# KiCad board Coral Dev Board Micro-PcbDoc.kicad_pcb (continued)
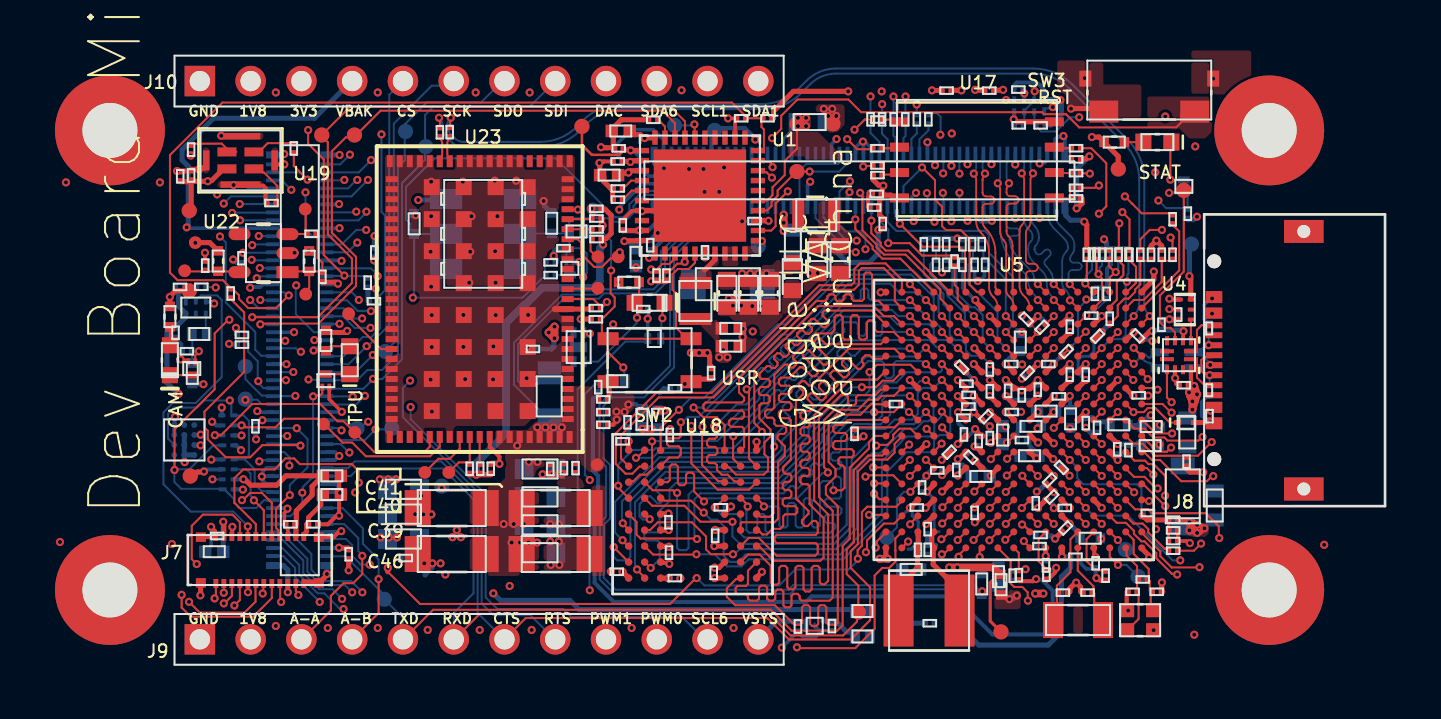
[diagram p0: board, top side]
## Placement (name value [footprint] x y rotation side) (continued)
TP12  -  [TESTPAD_SMT_30MIL]  11.5 11.83 0 bottom
TP13  -  [TESTPAD_SMT_30MIL]  14 8.94 0 bottom
TP14  -  [TESTPAD_SMT_30MIL]  47.85 24.81 0 top
TP15  -  [TESTPAD_SMT_30MIL]  27.65 26.74 0 bottom
TP16  -  [TESTPAD_SMT_30MIL]  33.57 27.07 0 top
TP17  -  [TESTPAD_SMT_30MIL]  41.98 1.64 0 top
TP18  -  [TESTPAD_SMT_30MIL]  11.18 15.68 0 bottom
TP19  -  [TESTPAD_SMT_30MIL]  12.19 26.69 0 bottom
TP20  -  [TESTPAD_SMT_30MIL]  13.2 25.93 0 bottom
TP21  -  [TESTPAD_SMT_30MIL]  4.17 14.93 0 bottom
TP22  -  [TESTPAD_SMT_30MIL]  48.21 5.76 0 bottom
TP23  -  [TESTPAD_SMT_30MIL]  48.84 4.41 0 bottom
TP24  -  [TESTPAD_SMT_30MIL]  4.17 13.29 0 bottom
TP25  -  [TESTPAD_SMT_30MIL]  36.27 6.37 0 bottom
TP26  -  [TESTPAD_SMT_30MIL]  1.37 22.73 0 top
TP27  -  [TESTPAD_SMT_30MIL]  29.84 20.95 0 bottom
TP28  -  [TESTPAD_SMT_25MIL]  21.78 10.01 0 top
TP29  -  [TESTPAD_SMT_25MIL]  7.2 18.55 0 top
TP30  -  [TESTPAD_SMT_30MIL]  11.13 3.27 0 bottom
TP31  -  [TESTPAD_SMT_30MIL]  34.84 2.63 0 top
TP32  -  [TESTPAD_SMT_25MIL]  7.17 22.8 0 top
TP33  -  [TESTPAD_SMT_25MIL]  1.14 19.72 0 top
TP34  -  [TESTPAD_SMT_25MIL]  1.67 21.13 0 top
TP35  -  [TESTPAD_SMT_25MIL]  21.56 22.81 0 bottom
TP36  -  [TESTPAD_SMT_25MIL]  21.81 20.41 0 top
TP37  -  [TESTPAD_SMT_25MIL]  22.83 20.41 0 top
TP38  -  [TESTPAD_SMT_25MIL]  21.81 18.84 0 top
TP39  -  [TESTPAD_SMT_30MIL]  51.13 23.74 0 top
TP40  -  [TESTPAD_SMT_25MIL]  9.34 17.57 0 top
TP41  -  [TESTPAD_SMT_25MIL]  8.09 12.04 0 top
TP42  -  [TESTPAD_SMT_25MIL]  9.65 11.63 0 top
TP43  -  [TESTPAD_SMT_25MIL]  14.36 9.62 0 top
TP44  -  [TESTPAD_SMT_25MIL]  13.15 9.62 0 top
TP45  -  [TESTPAD_SMT_30MIL]  51.51 21.05 0 bottom
U1  IC, PWR MANAGEMENT, DA9061, DDR, BUCK, LDO, 2.7 TO 5.5 VIN, SMD  [QFN50P600X600X90-40-TP]  26.92 23.48 0 top
U2  IC, REG, TCR2LN33, LINEAR, LDO, 5.5V VIN, 3.3V VOUT, CMOS O/P, SDFN-4  [SDFN80X80X40-5]  32.66 1.95 0 bottom
U3  IC, BUFFER, 74LVC1G126, NON-INVERT, SINGLE ELEMENT, 3-STATE O/P, 32mA, 1.65V TO 5.5V VIN, UFDFN-6  [SON50P145X100X60-6]  1.7 17.87 0 bottom
U4  IC, TRANSLATOR, 74AXP1, UNIDIR, 1-CH, NON-INVERTED O/P, LOW NOISE OVERSHOOT, XSON-6  [SON50P145X100X50-6]  51.18 17.77 0 top
U5  IC, PROCESSOR, MIMXRT1176CV, ARM CORTEX-M4/M7, 2MB RAM, SDRAM, WLAN, BGA-289  [BGA289C80P17X17_1400X14000X152]  42.62 12.25 0 top
U6  IC, MICRO CONTROLLER, A7101, MX51, SECURITY, TEMP, AUTHENTICATION, I2C, WLCSP-12  [BGA12C50+3X4_206X202X65]  1.12 11.25 0 bottom
U10  SPST 2x, 1.65V ~{} 5.5V, XSON8, 500MHz at 50Ohm  [SON8_0P5_1L95x1W]  3.3 11.73 0 bottom
U13  SPST 2x, 1.65V ~{} 5.5V, XSON8, 500MHz at 50Ohm  [SON8_0P5_1L95x1W]  3.32 9.53 0 bottom
U14  SPST 2x, 1.65V ~{} 5.5V, XSON8, 500MHz at 50Ohm  [SON8_0P5_1L95x1W#2]  43.39 27.97 0 bottom
U17  IC, MEMORY, MT29F1G01ABB, NON-VOLATILE, FLASH, 1Gb(1G x 1), SPI, 1.7 TO 1.95V VIN, UDFN-8  [UDFN800X600X65-8]  40.78 25.27 0 top
U18  IC, MEMORY, MT48H32M16, VOLATILE, DRAM, 512Mb(32M x 16), 1.7 TO 1.95V VIN, VFBGA-54  [BGA54C80P6X9_800X800X100]  26.55 7.54 0 top
U19  AUDIO, MIC, MEMS, OMNIDIRECTIONAL, DIGITAl/PDM O/P, 20Hz TO 20KHz, -26dB SENSITIVITY, +/-1dB, 64.5dB S/N R, SMD  [MIC_SPK0641HT4H-1]  3.93 25.24 0 top
U20  IC, HOST CTLR, PTN5150A, USB, 2.7 TO 5.5 VIN, X2QFN-12  [X2QFN12_1.6X1.6MMM]  50.89 15.49 0 top
U21  IC, SW, SIP32408, HIGH-SIDE, N-CH, 1:1, 1.1V TO 5.5V VCL, 3.5A, 44mOHM RDS(ON), TDFN-4  [TDFN120X160X60-4-TP]  20.85 15.89 0 bottom
U22  IC, REG, NCP170AS, LINEAR, FIXED, 2.2V TO 5.5V VIN, 1.8V VOUT, 150mA, TSOP-5  [5SOT23_REG]  5.08 20.6 0 top
u23  TPU module  [QFN120_0P5_10X15]  15.9 18.3 0 top
X1  XTAL, 24MHz, +/-10PPM STAB, +/-10PPM, 8pF, 80 OHM, SMD-4  [XTAL_MURATA_XRCGB24M000F1H01R0]  48.94 2.23 0 top
X2  -  [XTAL_EPSON_ADUCM355BCCZ]  45.84 2.24 0 top

## Footprints (pads in the part's own frame, mm; a bottom-side part is the same pattern mirrored in y, then rotated)
3XDFN
  rect 0.191x0.35 smd: 1(0.175,0.325) 2(-0.175,0.325)
  rect 0.6x0.35 smd: 3(0,-0.325)
3XDFN#2
  rect 0.191x0.35 smd: 1(-0.175,-0.325) 2(0.175,-0.325)
  rect 0.6x0.35 smd: 3(0,0.325)
3XDFN#3
  rect 0.35x0.191 smd: 1(-0.325,0.175) 2(-0.325,-0.175)
  rect 0.35x0.6 smd: 3(0.325,0)
5SOT23_REG
  rect 1.1x0.6 smd: 1(1.2,-0.95)
  oval 1.1x0.6 smd: 2(1.2,0) 3(1.2,0.95) 4(-1.2,0.95) 5(-1.2,-0.95)
0201
  rect 0.37x0.28 smd: 1(0,-0.274) 2(0,0.274)
0201#2
  rect 0.37x0.28 smd: 1(0,0.274) 2(0,-0.274)
BGA12C50+3X4_206X202X65
  round 0.3 smd: A1(-0.5,-0.75) A2(-0.5,-0.25) A3(-0.5,0.25) A4(-0.5,0.75) B1(0,-0.75) B2(0,-0.25) B3(0,0.25) B4(0,0.75) C1(0.5,-0.75) C2(0.5,-0.25) C3(0.5,0.25) C4(0.5,0.75)
BGA54C80P6X9_800X800X100
  round 0.37 smd: A1(3.2,-3.2) A2(2.4,-3.2) A3(1.6,-3.2) A7(-1.6,-3.2) A8(-2.4,-3.2) A9(-3.2,-3.2) B1(3.2,-2.4) B2(2.4,-2.4) B3(1.6,-2.4) B7(-1.6,-2.4) B8(-2.4,-2.4) B9(-3.2,-2.4) C1(3.2,-1.6) C2(2.4,-1.6) C3(1.6,-1.6) C7(-1.6,-1.6) C8(-2.4,-1.6) C9(-3.2,-1.6) D1(3.2,-0.8) D2(2.4,-0.8) D3(1.6,-0.8) D7(-1.6,-0.8) D8(-2.4,-0.8) D9(-3.2,-0.8) E1(3.2,0) E2(2.4,0) E3(1.6,0) E7(-1.6,0) E8(-2.4,0) E9(-3.2,0) F1(3.2,0.8) F2(2.4,0.8) F3(1.6,0.8) F7(-1.6,0.8) F8(-2.4,0.8) F9(-3.2,0.8) G1(3.2,1.6) G2(2.4,1.6) G3(1.6,1.6) G7(-1.6,1.6) G8(-2.4,1.6) G9(-3.2,1.6) H1(3.2,2.4) H2(2.4,2.4) H3(1.6,2.4) H7(-1.6,2.4) H8(-2.4,2.4) H9(-3.2,2.4) J1(3.2,3.2) J2(2.4,3.2) J3(1.6,3.2) J7(-1.6,3.2) J8(-2.4,3.2) J9(-3.2,3.2)
BGA289C80P17X17_1400X14000X152
  round 0.35 smd: A1(-6.4,6.4) A2(-5.6,6.4) A3(-4.8,6.4) A4(-4,6.4) A5(-3.2,6.4) A6(-2.4,6.4) A7(-1.6,6.4) A8(-0.8,6.4) A9(0,6.4) A10(0.8,6.4) A11(1.6,6.4) A12(2.4,6.4) A13(3.2,6.4) A14(4,6.4) A15(4.8,6.4) A16(5.6,6.4) A17(6.4,6.4) B1(-6.4,5.6) B2(-5.6,5.6) B3(-4.8,5.6) B4(-4,5.6) B5(-3.2,5.6) B6(-2.4,5.6) B7(-1.6,5.6) B8(-0.8,5.6) B9(0,5.6) B10(0.8,5.6) B11(1.6,5.6) B12(2.4,5.6) B13(3.2,5.6) B14(4,5.6) B15(4.8,5.6) B16(5.6,5.6) B17(6.4,5.6) C1(-6.4,4.8) C2(-5.6,4.8) C3(-4.8,4.8) C4(-4,4.8) C5(-3.2,4.8) C6(-2.4,4.8) C7(-1.6,4.8) C8(-0.8,4.8) C9(0,4.8) C10(0.8,4.8) C11(1.6,4.8) C12(2.4,4.8) C13(3.2,4.8) C14(4,4.8) C15(4.8,4.8) C16(5.6,4.8) C17(6.4,4.8) D1(-6.4,4) D2(-5.6,4) D3(-4.8,4) D4(-4,4) D5(-3.2,4) D6(-2.4,4) D7(-1.6,4) D8(-0.8,4) D9(0,4) D10(0.8,4) D11(1.6,4) D12(2.4,4) D13(3.2,4) D14(4,4) D15(4.8,4) D16(5.6,4) D17(6.4,4) E1(-6.4,3.2) E2(-5.6,3.2) E3(-4.8,3.2) E4(-4,3.2) E5(-3.2,3.2) E6(-2.4,3.2) E7(-1.6,3.2) E8(-0.8,3.2) E9(0,3.2) E10(0.8,3.2) E11(1.6,3.2) E12(2.4,3.2) E13(3.2,3.2) E14(4,3.2) E15(4.8,3.2) E16(5.6,3.2) E17(6.4,3.2) F1(-6.4,2.4) F2(-5.6,2.4) F3(-4.8,2.4) F4(-4,2.4) F5(-3.2,2.4) F6(-2.4,2.4) F7(-1.6,2.4) F8(-0.8,2.4) F9(0,2.4) F10(0.8,2.4) F11(1.6,2.4) F12(2.4,2.4) F13(3.2,2.4) F14(4,2.4) F15(4.8,2.4) F16(5.6,2.4) F17(6.4,2.4) G1(-6.4,1.6) G2(-5.6,1.6) G3(-4.8,1.6) G4(-4,1.6) G5(-3.2,1.6) G6(-2.4,1.6) G7(-1.6,1.6) G8(-0.8,1.6) G9(0,1.6) G10(0.8,1.6) G11(1.6,1.6) G12(2.4,1.6) G13(3.2,1.6) G14(4,1.6) G15(4.8,1.6) G16(5.6,1.6) G17(6.4,1.6) H1(-6.4,0.8) H2(-5.6,0.8) H3(-4.8,0.8) H4(-4,0.8) H5(-3.2,0.8) H6(-2.4,0.8) H7(-1.6,0.8) H8(-0.8,0.8) H9(0,0.8) H10(0.8,0.8) H11(1.6,0.8) H12(2.4,0.8) H13(3.2,0.8) H14(4,0.8) H15(4.8,0.8) H16(5.6,0.8) H17(6.4,0.8) J1(-6.4,0) J2(-5.6,0) J3(-4.8,0) J4(-4,0) J5(-3.2,0) J6(-2.4,0) J7(-1.6,0) J8(-0.8,0) J9(0,0) J10(0.8,0) J11(1.6,0) J12(2.4,0) J13(3.2,0) J14(4,0) J15(4.8,0) J16(5.6,0) J17(6.4,0) K1(-6.4,-0.8) K2(-5.6,-0.8) K3(-4.8,-0.8) K4(-4,-0.8) K5(-3.2,-0.8) K6(-2.4,-0.8) K7(-1.6,-0.8) K8(-0.8,-0.8) K9(0,-0.8) K10(0.8,-0.8) K11(1.6,-0.8) K12(2.4,-0.8) K13(3.2,-0.8) K14(4,-0.8) K15(4.8,-0.8) K16(5.6,-0.8) K17(6.4,-0.8) L1(-6.4,-1.6) L2(-5.6,-1.6) L3(-4.8,-1.6) L4(-4,-1.6) L5(-3.2,-1.6) L6(-2.4,-1.6) L7(-1.6,-1.6) L8(-0.8,-1.6) L9(0,-1.6) L10(0.8,-1.6) L11(1.6,-1.6) L12(2.4,-1.6) L13(3.2,-1.6) L14(4,-1.6) L15(4.8,-1.6) L16(5.6,-1.6) L17(6.4,-1.6) M1(-6.4,-2.4) M2(-5.6,-2.4) M3(-4.8,-2.4) M4(-4,-2.4) M5(-3.2,-2.4) M6(-2.4,-2.4) M7(-1.6,-2.4) M8(-0.8,-2.4) M9(0,-2.4) M10(0.8,-2.4) M11(1.6,-2.4) M12(2.4,-2.4) M13(3.2,-2.4) M14(4,-2.4) M15(4.8,-2.4) M16(5.6,-2.4) M17(6.4,-2.4) N1(-6.4,-3.2) N2(-5.6,-3.2) N3(-4.8,-3.2) N4(-4,-3.2) N5(-3.2,-3.2) N6(-2.4,-3.2) N7(-1.6,-3.2) N8(-0.8,-3.2) N9(0,-3.2) N10(0.8,-3.2) N11(1.6,-3.2) N12(2.4,-3.2) N13(3.2,-3.2) N14(4,-3.2) N15(4.8,-3.2) N16(5.6,-3.2) N17(6.4,-3.2) P1(-6.4,-4) P2(-5.6,-4) P3(-4.8,-4) P4(-4,-4) P5(-3.2,-4) P6(-2.4,-4) P7(-1.6,-4) P8(-0.8,-4) P9(0,-4) P10(0.8,-4) P11(1.6,-4) P12(2.4,-4) P13(3.2,-4) P14(4,-4) P15(4.8,-4) P16(5.6,-4) P17(6.4,-4) R1(-6.4,-4.8) R2(-5.6,-4.8) R3(-4.8,-4.8) R4(-4,-4.8) R5(-3.2,-4.8) R6(-2.4,-4.8) R7(-1.6,-4.8) R8(-0.8,-4.8) R9(0,-4.8) R10(0.8,-4.8) R11(1.6,-4.8) R12(2.4,-4.8) R13(3.2,-4.8) R14(4,-4.8) R15(4.8,-4.8) R16(5.6,-4.8) R17(6.4,-4.8) T1(-6.4,-5.6) T2(-5.6,-5.6) T3(-4.8,-5.6) T4(-4,-5.6) T5(-3.2,-5.6) T6(-2.4,-5.6) T7(-1.6,-5.6) T8(-0.8,-5.6) T9(0,-5.6) T10(0.8,-5.6) T11(1.6,-5.6) T12(2.4,-5.6) T13(3.2,-5.6) T14(4,-5.6) T15(4.8,-5.6) T16(5.6,-5.6) T17(6.4,-5.6) U1(-6.4,-6.4) U2(-5.6,-6.4) U3(-4.8,-6.4) U4(-4,-6.4) U5(-3.2,-6.4) U6(-2.4,-6.4) U7(-1.6,-6.4) U8(-0.8,-6.4) U9(0,-6.4) U10(0.8,-6.4) U11(1.6,-6.4) U12(2.4,-6.4) U13(3.2,-6.4) U14(4,-6.4) U15(4.8,-6.4) U16(5.6,-6.4) U17(6.4,-6.4)
C0201_MOD
  rrect 0.26x0.3 smd: 1(-0.225,0) 2(0.225,0)
C0201_MOD#2
  rrect 0.26x0.3 smd: 1(0.225,0) 2(-0.225,0)
C0201_MOD#3
  rrect 0.3x0.26 smd: 1(0,0.225) 2(0,-0.225)
C0201_MOD#4
  rrect 0.3x0.26 smd: 1(0,-0.225) 2(0,0.225)
C0201_MOD#5
  rrect 0.3x0.26 smd rot 45: 1(0.159,0.159) 2(-0.159,-0.159)
C0201_MOD#6
  rrect 0.3x0.26 smd rot 135: 1(0.159,-0.159) 2(-0.159,0.159)
C0201_MOD#7
  rrect 0.3x0.26 smd rot 45: 1(-0.159,-0.159) 2(0.159,0.159)
C0201_MOD#8
  rrect 0.3x0.26 smd rot 135: 1(-0.159,0.159) 2(0.159,-0.159)
C0402
  rect 0.62x0.62 smd: 1(-0.45,0) 2(0.45,0)
C0402#2
  rect 0.62x0.62 smd: 1(0.45,0) 2(-0.45,0)
C0402#3
  rect 0.62x0.62 smd: 1(0,0.45) 2(0,-0.45)
C0402#4
  rect 0.62x0.62 smd: 1(0,-0.45) 2(0,0.45)
C0402#5
  rect 0.62x0.62 smd: 1(0,0.45) 2(0,-0.45)
C0603
  rect 0.95x1 smd: 1(-0.8,0) 2(0.8,0)
C0603_L_ZEROMASK
  rect 0.9x0.75 smd: 1(0,0.7) 2(0,-0.7)
C1206Y_1.90MM
  rect 1.3x1.8 smd: 1(1.7,0) 2(-1.7,0)
C1206Y_1.90MM#2
  rect 1.3x1.8 smd: 1(-1.7,0) 2(1.7,0)
D0402_H0.55MM
  rect 0.5x0.7 smd: A(-0.375,0) K(0.375,0)
D0402_H0.55MM#2
  rect 0.5x0.7 smd: A(0.375,0) K(-0.375,0)
DEFAULT
  round 5.5 hole 2.75: 6(28.9,53.9) 6(28.9,30.9) 6(86.9,53.9) 6(86.9,30.9)
EDAC_698B116W26A-661
  round 0.7 hole 0.7 unplated: (-2.232,4.95) (-2.232,-4.95)
  rect 0.83x0.6 smd: 1(-2.248,-3.16) 12(-2.248,3.16)
  rect 0.83x0.56 smd: 2(-2.248,-2.36) 11(-2.248,2.36)
  rect 0.83x0.3 smd: 3(-2.248,-1.75) 4(-2.248,-1.25) 5(-2.248,-0.75) 6(-2.248,-0.25) 7(-2.248,0.25) 8(-2.248,0.75) 9(-2.248,1.25) 10(-2.248,1.75)
  rrect 1.98x1.15 hole 0.65: SH1(2.248,-6.445) SH2(2.248,6.445)
HEADER_1X12_POS_UNSHROUDED
  rect 1.524x1.524 hole 1.016: 1(0,0)
  round 1.524 hole 1.016: 2(2.54,0) 3(5.08,0) 4(7.62,0) 5(10.16,0) 6(12.7,0) 7(15.24,0) 8(17.78,0) 9(20.32,0) 10(22.86,0) 11(25.4,0) 12(27.94,0)
HIROSE_DF40C-100DP-0.4V(51)
  rect 0.66x0.19 smd: 1(-1.355,9.8) 2(1.355,9.8) 3(-1.355,9.4) 4(1.355,9.4) 5(-1.355,9) 6(1.355,9) 7(-1.355,8.6) 8(1.355,8.6) 9(-1.355,8.2) 10(1.355,8.2) 11(-1.355,7.8) 12(1.355,7.8) 13(-1.355,7.4) 14(1.355,7.4) 15(-1.355,7) 16(1.355,7) 17(-1.355,6.6) 18(1.355,6.6) 19(-1.355,6.2) 20(1.355,6.2) 21(-1.355,5.8) 22(1.355,5.8) 23(-1.355,5.4) 24(1.355,5.4) 25(-1.355,5) 26(1.355,5) 27(-1.355,4.6) 28(1.355,4.6) 29(-1.355,4.2) 30(1.355,4.2) 31(-1.355,3.8) 32(1.355,3.8) 33(-1.355,3.4) 34(1.355,3.4) 35(-1.355,3) 36(1.355,3) 37(-1.355,2.6) 38(1.355,2.6) 39(-1.355,2.2) 40(1.355,2.2) 41(-1.355,1.8) 42(1.355,1.8) 43(-1.355,1.4) 44(1.355,1.4) 45(-1.355,1) 46(1.355,1) 47(-1.355,0.6) 48(1.355,0.6) 49(-1.355,0.2) 50(1.355,0.2) 51(-1.355,-0.2) 52(1.355,-0.2) 53(-1.355,-0.6) 54(1.355,-0.6) 55(-1.355,-1) 56(1.355,-1) 57(-1.355,-1.4) 58(1.355,-1.4) 59(-1.355,-1.8) 60(1.355,-1.8) 61(-1.355,-2.2) 62(1.355,-2.2) 63(-1.355,-2.6) 64(1.355,-2.6) 65(-1.355,-3) 66(1.355,-3) 67(-1.355,-3.4) 68(1.355,-3.4) 69(-1.355,-3.8) 70(1.355,-3.8) 71(-1.355,-4.2) 72(1.355,-4.2) 73(-1.355,-4.6) 74(1.355,-4.6) 75(-1.355,-5) 76(1.355,-5) 77(-1.355,-5.4) 78(1.355,-5.4) 79(-1.355,-5.8) 80(1.355,-5.8) 81(-1.355,-6.2) 82(1.355,-6.2) 83(-1.355,-6.6) 84(1.355,-6.6) 85(-1.355,-7) 86(1.355,-7) 87(-1.355,-7.4) 88(1.355,-7.4) 89(-1.355,-7.8) 90(1.355,-7.8) 91(-1.355,-8.2) 92(1.355,-8.2) 93(-1.355,-8.6) 94(1.355,-8.6) 95(-1.355,-9) 96(1.355,-9) 97(-1.355,-9.4) 98(1.355,-9.4) 99(-1.355,-9.8) 100(1.355,-9.8)
  rect 0.66x0.35 smd: MH1(-1.355,10.275) MH2(1.355,10.275) MH3(-1.355,-10.275) MH4(1.355,-10.275)
HIROSE_DF40C-100DP-0.4V(51)#2
  rect 0.19x0.66 smd: 1(-9.8,-1.355) 2(-9.8,1.355) 3(-9.4,-1.355) 4(-9.4,1.355) 5(-9,-1.355) 6(-9,1.355) 7(-8.6,-1.355) 8(-8.6,1.355) 9(-8.2,-1.355) 10(-8.2,1.355) 11(-7.8,-1.355) 12(-7.8,1.355) 13(-7.4,-1.355) 14(-7.4,1.355) 15(-7,-1.355) 16(-7,1.355) 17(-6.6,-1.355) 18(-6.6,1.355) 19(-6.2,-1.355) 20(-6.2,1.355) 21(-5.8,-1.355) 22(-5.8,1.355) 23(-5.4,-1.355) 24(-5.4,1.355) 25(-5,-1.355) 26(-5,1.355) 27(-4.6,-1.355) 28(-4.6,1.355) 29(-4.2,-1.355) 30(-4.2,1.355) 31(-3.8,-1.355) 32(-3.8,1.355) 33(-3.4,-1.355) 34(-3.4,1.355) 35(-3,-1.355) 36(-3,1.355) 37(-2.6,-1.355) 38(-2.6,1.355) 39(-2.2,-1.355) 40(-2.2,1.355) 41(-1.8,-1.355) 42(-1.8,1.355) 43(-1.4,-1.355) 44(-1.4,1.355) 45(-1,-1.355) 46(-1,1.355) 47(-0.6,-1.355) 48(-0.6,1.355) 49(-0.2,-1.355) 50(-0.2,1.355) 51(0.2,-1.355) 52(0.2,1.355) 53(0.6,-1.355) 54(0.6,1.355) 55(1,-1.355) 56(1,1.355) 57(1.4,-1.355) 58(1.4,1.355) 59(1.8,-1.355) 60(1.8,1.355) 61(2.2,-1.355) 62(2.2,1.355) 63(2.6,-1.355) 64(2.6,1.355) 65(3,-1.355) 66(3,1.355) 67(3.4,-1.355) 68(3.4,1.355) 69(3.8,-1.355) 70(3.8,1.355) 71(4.2,-1.355) 72(4.2,1.355) 73(4.6,-1.355) 74(4.6,1.355) 75(5,-1.355) 76(5,1.355) 77(5.4,-1.355) 78(5.4,1.355) 79(5.8,-1.355) 80(5.8,1.355) 81(6.2,-1.355) 82(6.2,1.355) 83(6.6,-1.355) 84(6.6,1.355) 85(7,-1.355) 86(7,1.355) 87(7.4,-1.355) 88(7.4,1.355) 89(7.8,-1.355) 90(7.8,1.355) 91(8.2,-1.355) 92(8.2,1.355) 93(8.6,-1.355) 94(8.6,1.355) 95(9,-1.355) 96(9,1.355) 97(9.4,-1.355) 98(9.4,1.355) 99(9.8,-1.355) 100(9.8,1.355)
  rect 0.35x0.66 smd: MH1(-10.275,-1.355) MH2(-10.275,1.355) MH3(10.275,-1.355) MH4(10.275,1.355)
IND4_CHOKE_0805
  rect 0.914x0.406 smd: 1(0.85,0.4) 2(-0.85,0.4) 3(-0.85,-0.4) 4(0.85,-0.4)
IND_74404041047
  rect 1.5x3.6 smd: 1(-1.525,0) 2(1.525,0)
L0402_H0.55MM
  rect 0.5x0.5 smd: 1(-0.45,0) 2(0.45,0)
L0402_H0.55MM#2
  rect 0.5x0.5 smd: 1(0,-0.45) 2(0,0.45)
L0402_H0.55MM#3
  rect 0.5x0.5 smd: 1(0.45,0) 2(-0.45,0)
L0402_H0.55MM#4
  rect 0.5x0.5 smd: 1(0,0.45) 2(0,-0.45)
L2016_H1.0MM
  rect 1.6x0.6 smd: 1(0,0.9) 2(0,-0.9)
L2016_H1.0MM#2
  rect 0.6x1.6 smd: 1(-0.9,0) 2(0.9,0)
LED_0603_0.67mm
  rect 0.8x0.8 smd: A(-0.75,0) K(0.75,0)
LED_0603_0.67mm#2
  rect 0.8x0.8 smd: A(0,0.75) K(0,-0.75)
LED_0603P_ORANGE
  rect 0.8x0.85 smd: 1(0.7,0) 2(-0.7,0)
LED_0603P_WHITE
  rect 0.85x0.8 smd: 1(0,-0.7) 2(0,0.7)
MIC_SPK0641HT4H-1
  rect 0.95x0.45 smd: 1(-0.675,0.425) 2(0.675,0.425) 3(0.675,-0.425) 4(-0.675,-0.425)
  rect 0.325x1 smd: 5(-1.713,0) 7(1.712,0)
  rect 2x0.325 smd: 6(0,1.212) 8(0,-1.212)
Molex_5037722410_HM01B0
  rect 0.24x0.45 smd: 1(-2.2,1.175) 2(-1.8,1.175) 3(-1.4,1.175) 4(-1,1.175) 5(-0.6,1.175) 6(-0.2,1.175) 7(0.2,1.175) 8(0.6,1.175) 9(1,1.175) 10(1.4,1.175) 11(1.8,1.175) 12(2.2,1.175) 13(2.2,-1.175) 14(1.8,-1.175) 15(1.4,-1.175) 16(1,-1.175) 17(0.6,-1.175) 18(0.2,-1.175) 19(-0.2,-1.175) 20(-0.6,-1.175) 21(-1,-1.175) 22(-1.4,-1.175) 23(-1.8,-1.175) 24(-2.2,-1.175)
  rect 0.5x0.47 smd: MH1(-2.95,-1.145) MH2(-2.95,1.145) MH3(2.95,-1.145) MH4(2.95,1.145)
QFN50P600X600X90-40-TP
  rect 0.71x0.27 smd: 1(-2.9,2.25) 2(-2.9,1.75) 3(-2.9,1.25) 4(-2.9,0.75) 5(-2.9,0.25) 6(-2.9,-0.25) 7(-2.9,-0.75) 8(-2.9,-1.25) 9(-2.9,-1.75) 10(-2.9,-2.25) 21(2.9,-2.25) 22(2.9,-1.75) 23(2.9,-1.25) 24(2.9,-0.75) 25(2.9,-0.25) 26(2.9,0.25) 27(2.9,0.75) 28(2.9,1.25) 29(2.9,1.75) 30(2.9,2.25)
  rect 0.27x0.71 smd: 11(-2.25,-2.9) 12(-1.75,-2.9) 13(-1.25,-2.9) 14(-0.75,-2.9) 15(-0.25,-2.9) 16(0.25,-2.9) 17(0.75,-2.9) 18(1.25,-2.9) 19(1.75,-2.9) 20(2.25,-2.9) 31(2.25,2.9) 32(1.75,2.9) 33(1.25,2.9) 34(0.75,2.9) 35(0.25,2.9) 36(-0.25,2.9) 37(-0.75,2.9) 38(-1.25,2.9) 39(-1.75,2.9) 40(-2.25,2.9)
  rect 4.62x4.62 smd: 41(0,0)
QFN120_0P5_10X15
  rect 0.3x0.6 smd: 1(4.5,6.9) 2(4,6.9) 3(3.5,6.9) 4(3,6.9) 5(2.5,6.9) 6(2,6.9) 7(1.5,6.9) 8(1,6.9) 9(0.5,6.9) 10(0,6.9) 11(-0.5,6.9) 12(-1,6.9) 13(-1.5,6.9) 14(-2,6.9) 15(-2.5,6.9) 16(-3,6.9) 17(-3.5,6.9) 18(-4,6.9) 19(-4.5,6.9) 45(-4.5,-6.9) 46(-4,-6.9) 47(-3.5,-6.9) 48(-3,-6.9) 49(-2.5,-6.9) 50(-2,-6.9) 51(-1.5,-6.9) 52(-1,-6.9) 53(-0.5,-6.9) 54(0,-6.9) 55(0.5,-6.9) 56(1,-6.9) 57(1.5,-6.9) 58(2,-6.9) 59(2.5,-6.9) 60(3,-6.9) 61(3.5,-6.9) 62(4,-6.9) 63(4.5,-6.9)
  rect 0.6x0.3 smd: 20(-4.4,6) 21(-4.4,5.5) 22(-4.4,5) 23(-4.4,4.5) 24(-4.4,4) 25(-4.4,3.5) 26(-4.4,3) 27(-4.4,2.5) 28(-4.4,2) 29(-4.4,1.5) 30(-4.4,1) 31(-4.4,0.5) 32(-4.4,0) 33(-4.4,-0.5) 34(-4.4,-1) 35(-4.4,-1.5) 36(-4.4,-2) 37(-4.4,-2.5) 38(-4.4,-3) 39(-4.4,-3.5) 40(-4.4,-4) 41(-4.4,-4.5) 42(-4.4,-5) 43(-4.4,-5.5) 44(-4.4,-6) 64(4.4,-6) 65(4.4,-5.5) 66(4.4,-5) 67(4.4,-4.5) 68(4.4,-4) 69(4.4,-3.5) 70(4.4,-3) 71(4.4,-2.5) 72(4.4,-2) 73(4.4,-1.5) 74(4.4,-1) 75(4.4,-0.5) 76(4.4,0) 77(4.4,0.5) 78(4.4,1) 79(4.4,1.5) 80(4.4,2) 81(4.4,2.5) 82(4.4,3) 83(4.4,3.5) 84(4.4,4) 85(4.4,4.5) 86(4.4,5) 87(4.4,5.5) 88(4.4,6)
  rect 0.8x0.8 smd: 89(2.4,5.6) 90(0.8,5.6) 91(-0.8,5.6) 92(-2.4,5.6) 93(-2.4,4) 94(-2.4,2.4) 95(-2.4,0.8) 96(-2.4,-0.8) 97(-2.4,-2.4) 98(-2.4,-4) 99(-2.4,-5.6) 100(-0.8,-5.6) 101(0.8,-5.6) 102(2.4,-5.6) 103(2.4,-4) 104(2.4,-2.4) 105(2.4,-0.8) 106(2.4,0.8) 107(2.4,2.4) 108(2.4,4) 109(0.8,4) 110(-0.8,4) 111(-0.8,2.4) 112(-0.8,0.8) 113(-0.8,-0.8) 114(-0.8,-2.4) 115(-0.8,-4) 116(0.8,-4) 117(0.8,-2.4) 118(0.8,-0.8) 119(0.8,0.8) 120(0.8,2.4)
R0201_MOD
  rrect 0.26x0.3 smd: 1(-0.225,0) 2(0.225,0)
R0201_MOD#2
  rrect 0.3x0.26 smd: 1(0,0.225) 2(0,-0.225)
R0201_MOD#3
  rrect 0.3x0.26 smd: 1(0,-0.225) 2(0,0.225)
R0201_MOD#4
  rrect 0.26x0.3 smd: 1(0.225,0) 2(-0.225,0)
R0201_MOD#5
  rrect 0.3x0.26 smd rot 135: 1(0.159,-0.159) 2(-0.159,0.159)
R0201_MOD#6
  rrect 0.3x0.26 smd rot 135: 1(-0.159,0.159) 2(0.159,-0.159)
R0201_MOD#7
  rrect 0.3x0.26 smd rot 45: 1(0.159,0.159) 2(-0.159,-0.159)
R0402
  rect 0.475x0.5 smd: 1(0.512,0) 2(-0.512,0)
R0402#2
  rect 0.5x0.475 smd: 1(0,-0.512) 2(0,0.512)
R0402#3
  rect 0.5x0.475 smd: 1(0,0.512) 2(0,-0.512)
R0402#4
  rect 0.475x0.5 smd: 1(-0.512,0) 2(0.512,0)
R0603
  rect 0.9x0.65 smd: 1(0,0.725) 2(0,-0.725)
R0603#2
  rect 0.65x0.9 smd: 1(-0.725,0) 2(0.725,0)
R0805
  rect 1.15x1.15 smd: 1(0,-1.175) 2(0,1.175)
R1206
  rect 1.25x1.5 smd: 1(-1.725,0) 2(1.725,0)
SDFN80X80X40-5
  rect 0.12x0.12 smd: 1(0.4,-0.24) 2(0.38,0.24) 3(-0.39,0.23) 4(-0.38,-0.24)
  rect 0.25x0.25 smd rot 45: 5(0,0)
SOD123_AK
  rect 1.2x0.85 smd: A(0,-1.525) K(0,1.525)
SOD1060X40
  rect 0.36x0.25 smd: A(0.42,0) K(-0.42,0)
SON8_0P5_1L95x1W
  rect 0.4x0.2 smd: 1(-0.275,0.75)
  rect 0.35x0.2 smd: 2(-0.3,0.25) 3(-0.3,-0.25) 4(-0.3,-0.75) 5(0.3,-0.75) 6(0.3,-0.25) 7(0.3,0.25) 8(0.3,0.75)
SON8_0P5_1L95x1W#2
  rect 0.2x0.4 smd: 1(0.75,0.275)
  rect 0.2x0.35 smd: 2(0.25,0.3) 3(-0.25,0.3) 4(-0.75,0.3) 5(-0.75,-0.3) 6(-0.25,-0.3) 7(0.25,-0.3) 8(0.75,-0.3)
SON50P145X100X50-6
  rrect 0.35x0.2 smd: 1(-0.275,0.5)
  rrect 0.3x0.2 smd: 2(-0.3,0) 3(-0.3,-0.5) 4(0.3,-0.5) 5(0.3,0) 6(0.3,0.5)
SON50P145X100X60-6
  rrect 0.2x0.35 smd: 1(-0.5,-0.275)
  rrect 0.2x0.3 smd: 2(0,-0.3) 3(0.5,-0.3) 4(0.5,0.3) 5(0,0.3) 6(-0.5,0.3)
SWITCH_CAS-D20TA
  rect 1.6x1 smd: 1(1.85,-1.75) 2(1.85,0) 3(1.85,1.75) 4(-1.85,-1.75) 5(-1.85,0) 6(-1.85,1.75)
SWITCH_TAH1QR
  rect 1.05x0.65 smd: 1(-2.075,1.075) 2(2.075,1.075) 3(-2.075,-1.075) 4(2.075,-1.075)
SWITCH_TL4100AF120QG
  rect 1.45x1.1 smd: 1(2.275,-0.825) 2(-2.275,-0.825)
  rect 0.6x0.8 smd: SH(-3.2,0.825) SH(3.2,0.825)
TDFN120X160X60-4-TP
  rect 0.3x0.55 smd: 1(-0.25,-0.725) 2(0.25,-0.725) 3(0.25,0.725) 4(-0.25,0.725)
  rect 0.86x0.5 smd: 5(0,0)
TESTPAD_SMT_25MIL
  round 0.635 smd: 1(0,0)
TESTPAD_SMT_30MIL
  round 0.762 smd: 1(0,0)
UDFN800X600X65-8
  rect 0.95x0.45 smd: 1(3.875,-1.905) 2(3.875,-0.635) 3(3.875,0.635) 4(3.875,1.905) 5(-3.875,1.905) 6(-3.875,0.635) 7(-3.875,-0.635) 8(-3.875,-1.905)
X2QFN12_1.6X1.6MMM
  rect 0.7x0.2 smd: 1(0.6,-0.2) 2(0.6,0.2) 7(-0.6,0.2) 8(-0.6,-0.2)
  rect 0.2x0.45 smd: 3(0.6,0.725) 4(0.2,0.725) 5(-0.2,0.725) 6(-0.6,0.725) 9(-0.6,-0.725) 10(-0.2,-0.725) 11(0.2,-0.725) 12(0.6,-0.725)
XTAL_EPSON_ADUCM355BCCZ
  rect 1x1.8 smd: 1(-1.25,0) 2(1.25,0)
XTAL_MURATA_XRCGB24M000F1H01R0
  rect 0.75x0.7 smd: 1(-0.675,-0.5) 2(0.675,-0.5) 3(0.675,0.5) 4(-0.675,0.5)

## Nets
DVDD15: C35.1 C80.1 J7.12
GND: C1.1 C2.2 C3.2 C4.2 C5.2 C6.2 C7.2 C8.2 C9.2 C10.2 C11.2 C12.2 C13.2 C14.2 C15.2 C16.2 C17.2 C18.2 C19.2 C20.2 C21.2 C22.2 C23.2 C24.2 C25.2 C26.2 C27.2 C28.2 C29.2 C30.2 C31.2 C32.2 C33.2 C34.2 C35.2 C36.2 C37.2 C38.2 C39.2 C40.2 C41.2 C42.2 C43.2 C44.2 C45.2 C46.2 C57.2 C61.2 C62.2 C63.2 C67.2 C74.2 C79.2 C80.2 C81.2 C82.2 C83.2 C84.2 C85.2 C87.2 C88.2 C90.2 C91.2 C92.2 C93.2 C94.2 C95.2 C96.2 C97.2 C98.2 C102.2 C107.2 C109.2 C110.2 C115.2 C117.2 C118.2 C119.2 C124.2 C136.2 C138.2 C223.2 C224.2 C233.2 C234.2 C235.2 C239.2 C241.2 C242.2 C244.2 C245.2 C251.2 C252.2 C254.2 C256.2 C257.2 C258.2 C260.2 C261.2 C264.2 C265.2 C266.2 C267.2 C268.2 C269.2 C270.2 C272.2 C273.2 C276.2 C277.2 C279.2 C280.2 C285.2 C286.2 C287.2 C290.2 C293.2 C294.2 C296.2 C297.2 C300.2 C302.2 C303.2 C304.2 C305.2 C316.1 C317.2 C327.2 C345.2 C347.2 C348.2 D31.A ESD1.1 ESD2.1 J5.4 J5.8 J5.12 J5.13 J5.16 J5.18 J5.19 J5.20 J5.21 J5.23 J5.26 J5.28 J5.37 J5.38 J5.49 J5.54 J5.57 J5.69 J5.70 J5.76 J5.84 J5.90 J5.99 J5.MH1 J5.MH2 J5.MH3 J5.MH4 J6.7 J6.9 J6.11 J6.15 J6.17 J6.38 J6.43 J6.48 J6.49 J6.51 J6.53 J6.64 J6.67 J6.74 J6.77 J6.80 J6.82 J6.83 J6.84 J6.89 J6.90 J6.95 J6.96 J6.97 J6.99 J6.MH1 J6.MH2 J6.MH3 J6.MH4 J7.1 J7.3 J7.10 J7.13 J7.15 J7.MH1 J7.MH2 J7.MH3 J7.MH4 J8.1 J8.12 J8.SH1 J8.SH2 J9.1 J10.1 Q1.2 Q2.2 Q3.2 Q4.2 Q10.2 R5.1 R9.1 R11.1 R14.2 R17.1 R27.1 R38.1 R39.1 R41.1 R91.1 R125.1 R129.1 R135.1 R136.1 R151.2 R152.2 R153.2 R154.2 R155.2 R156.2 R157.2 R158.2 R159.2 R160.2 R161.2 R162.2 R163.1 R164.1 R398.1 SW1.3 SW1.6 SW2.3 SW2.4 SW3.2 SW3.SH U1.7 U1.32 U1.41 U2.2 U2.5 U3.3 U4.3 U5.A1 U5.A17 U5.B7 U5.C8 U5.C10 U5.C12 U5.C14 U5.D4 U5.F11 U5.F12 U5.F13 U5.G3 U5.G7 U5.G8 U5.G9 U5.G10 U5.G11 U5.G15 U5.H7 U5.H11 U5.J7 U5.J11 U5.K6 U5.K7 U5.K11 U5.L3 U5.L6 U5.L10 U5.L11 U5.L15 U5.P4 U5.P14 U5.R4 U5.R7 U5.T12 U5.U1 U5.U17 U6.A1 U6.A2 U6.C2 U10.4 U13.4 U14.4 U17.4 U18.A1 U18.A3 U18.B7 U18.C3 U18.D7 U18.E3 U18.J1 U19.5 U19.6 U19.7 U19.8 U20.10 U21.2 U21.5 U22.2 u23.1 u23.2 u23.3 u23.6 u23.7 u23.8 u23.9 u23.10 u23.11 u23.12 u23.15 u23.16 u23.17 u23.18 u23.19 u23.20 u23.21 u23.22 u23.23 u23.24 u23.25 u23.26 u23.27 u23.28 u23.29 u23.30 u23.31 u23.32 u23.33 u23.34 u23.35 u23.36 u23.38 u23.39 u23.40 u23.41 u23.42 u23.43 u23.44 u23.45 u23.46 u23.47 u23.48 u23.51 u23.55 u23.68 u23.69 u23.70 u23.71 u23.72 u23.73 u23.74 u23.75 u23.79 u23.80 u23.81 u23.86 u23.87 u23.88 u23.89 u23.90 u23.91 u23.92 u23.93 u23.94 u23.95 u23.96 u23.97 u23.98 u23.99 u23.100 u23.101 u23.102 u23.103 u23.104 u23.105 u23.106 u23.107 u23.108 u23.109 u23.110 u23.111 u23.112 u23.113 u23.114 u23.115 u23.116 u23.117 u23.118 u23.119 u23.120 X1.2 X1.4
VDD_1V8: C23.1 C24.1 C25.1 C235.1 C239.1 C241.1 C254.1 C256.1 C258.1 C265.1 C285.1 C327.1 C345.1 FB3.1 FB4.1 FB6.1 J6.28 J6.30 J6.32 J6.34 J6.36 J6.45 J9.2 J10.2 R3.2 R21.2 R29.2 R30.2 R37.2 R46.2 R47.2 R48.2 R49.2 R50.2 R51.2 R53.2 R71.2 R172.2 R375.1 U4.1 U5.D12 U5.E7 U5.F6 U5.F7 U5.G6 U5.G13 U5.H6 U5.J6 U5.M12 U5.P7 U6.B2 U6.B3 U6.B4 U6.C4 U10.8 U13.8 U14.8
VDD_1V8_AON: C12.1 C17.1 J6.3 R166.2 TP1.1 U1.1 U1.23
VDD_1V8_CAM: C14.1 C31.1 C37.1 C79.1 J6.2 J7.11 R13.2 TP7.1 U1.9 U3.6 U13.3 U13.7
VDD_1V8_MIC: C15.1 C20.1 C83.1 J6.4 TP26.1 U1.11 U19.4
VDD_1V8_SENSE: C10.1 C11.1 J6.47 L2.2 R3.1 TP4.1 U1.24
VDD_2V8_CAM: C13.1 C27.1 C29.1 J6.1 J7.2 R168.2 TP2.1 U1.2
VDD_3V3: C2.1 C3.1 C30.1 FB1.2 FB5.1 J6.33 J6.35 J6.37 J6.39 J6.41 J10.3 R2.2 R169.2 R170.2 R194.1 R415.1 TP14.1 TP16.1 U1.3 U1.10 U21.1
VDD_3V3_SENSE: C8.1 C9.1 J6.31 L1.2 R2.1 TP3.1 U1.25
VDD_COIN_3V: D3.A J5.83 J10.4
VDD_LPSR_ANA: C290.1 U5.P12
VDD_LPSR_DIG: C296.1 U5.P11
VDD_LPSR_IN: C300.1 J6.13 R415.2 TP15.1 U5.R12
VDD_MIPI_1P0: C272.1 R1848.2 U5.F10
VDD_MIPI_1P8: C119.1 FB3.2 U5.F9
VDD_SNVS: C302.1 R419.2 TP11.1 U5.U12
VDD_SNVS_3V3: D2.K D3.K R419.1 TP10.1
VDD_SNVS_ANA: C293.1 C305.1 R167.2 R215.2 R1821.2 U5.U11 U5.U14
VDD_SNVS_DIG: C107.1 U5.T14
VDD_SOC_IN: C61.1 C62.1 C67.1 C260.1 C261.1 C264.1 C266.1 C273.1 R117.2 U5.H8 U5.H9 U5.H10 U5.J8 U5.J9 U5.J10 U5.K10 U5.L7
VDD_USB_1P8: C270.1 FB4.2 U5.H12
VDD_USB_3P3: C244.1 FB5.2 U5.G12
VDDA_1P0: C276.1 J6.5 R1848.1 U5.N11
VDDA_ADC_3P3: C245.1 C257.1 FB1.1 U5.J13
ADC1_CH0A: J5.10 J9.3 U5.N13
ADC1_CH0B: J5.14 J9.4 U5.T17
ADC1_CH2A: C33.1 R40.1 R41.2 U5.R17
ADC1_CH2B: J5.6 U5.P16
ADC_1V8_IN: C117.1 C136.1 C347.1 C348.1 FB2.2 U5.G16 U5.K15 U5.M11
BOOT_MODE0: J6.19 R30.1 R31.2 R163.2 SW1.5 U5.P6
BOOT_MODE1: D6.A J6.21 Q4.1 R29.1 R164.2 SW1.2 U5.T7
BRD_STAT_LED: J5.80 Q10.1 R172.1 U5.L9
BT_CFG1_0_ENET_RGMII_TXD3: R10.2 R139.1 R151.1 U5.D10
BT_CFG1_1_ENET_RGMII_TXD2: R16.2 R140.1 R152.1 U5.E12
BT_CFG1_2_ENET_RGMII_TXD1: R18.2 R141.1 R153.1 U5.A15
BT_CFG1_3_ENET_RGMII_TXD0: R19.2 R142.1 R154.1 U5.C13
BT_CFG1_4_ENET_RGMII_TX_EN: R20.2 R143.1 R155.1 U5.B14
BT_CFG1_5_ENET_RGMII_TXC: R26.2 R144.1 R156.1 U5.A14
BT_CFG1_6: R145.1 R157.1 U5.E8
BT_CFG1_7: R146.1 R158.1 U5.F8
BT_CFG2_0: R147.1 R159.1 U5.E9
BT_CFG2_1: R148.1 R160.1 U5.D7
BT_CFG2_2: R149.1 R161.1 U5.C7
BT_CFG2_3: R150.1 R162.1 U5.C9
BT_CFG_IO_EN: R27.2 U5.P13 U14.3 U14.7
BT_DEV_WAKE: J6.62 U5.A7
BT_HOST_WAKE: J6.50 U5.A4
BT_REG_ON: J5.87 U5.G17
BUCK2_SW: L1.1 U1.20
BUCK3_SW: L2.1 U1.17
CAMERA_INT: J5.33 J7.9 U5.P9
CAMERA_TRIG: J7.4 U5.T2
CON_DET: TP39.1 U20.5
CRYPTO_RST_N: U5.U8 U6.C3
CSI_DATA02: J7.17 U5.J12
CSI_DATA03: J7.18 U5.K12
CSI_DATA04: J7.19 U5.K14
CSI_DATA05: J7.20 U5.K13
CSI_DATA06: J7.21 U5.L16
CSI_DATA07: J7.22 U5.M16
CSI_DATA08: J7.23 U5.N15
CSI_DATA09: J7.24 U5.N17
CSI_HSYNC: J7.6 U5.M14
CSI_MCLK: J7.14 R44.2
CSI_MCLK_RT: R44.1 U5.L12
CSI_PIXCLK: J7.16 U5.P17
CSI_VSYNC: J7.5 U3.2 U5.N14
DA_GPIO0_WDOG_KICK: J5.55 TP27.1 U1.21 U5.P10
DA_GPIO2: J5.63 U1.28
DA_GPIO3: J5.65 U1.29
DA_GPIO4_SYS_EN: J5.67 R6.2 R7.1 R9.2 U1.30
DA_IREF: R5.2 U1.4
DA_nIRQ: J5.61 TP6.1 U1.37
DA_nONKEY: D1.K D6.K R166.1 SW2.1 SW2.2 U1.15
DA_nRESET: J5.59 TP5.1 U1.38
DA_nRESETREQ: J5.74 R4.1 U1.16
DA_VDDCORE: C1.2 U1.39
DA_VREF: C16.1 U1.5
DAC_OUT: D31.K J5.95 J10.9 U5.H16
DCDC_1V8_OUT: C19.1 C22.1 C279.1 FB2.1 J6.10 R7.2 R23.2 R24.2 R139.2 R140.2 R141.2 R142.2 R143.2 R144.2 R145.2 R146.2 R147.2 R148.2 R149.2 R150.2 R373.2 R374.2 R416.2 SW1.4 U5.M6
DCDC_1V8_OUT_SENSE: C118.1 C124.1 C138.1 C280.1 J6.12 R416.1 U5.M7 U5.M8
DCDC_PSWITCH: C286.1 R396.2 U5.P3
DMIC_DATA0: J5.45 R87.2 U5.R6
DMIC_DATA0_ONBOARD: R87.1 U19.1
DMIC_DATA1: J5.43 R37.1 R38.2 U5.U6
DMIC_DATA2__JTAG_TCK: J5.41 TP21.1 U5.T6
DMIC_DATA3__JTAG_TMS: J5.39 TP24.1 U5.U7
